# Altium PCB power_board.PcbDoc (part 1 of 2) (continued)
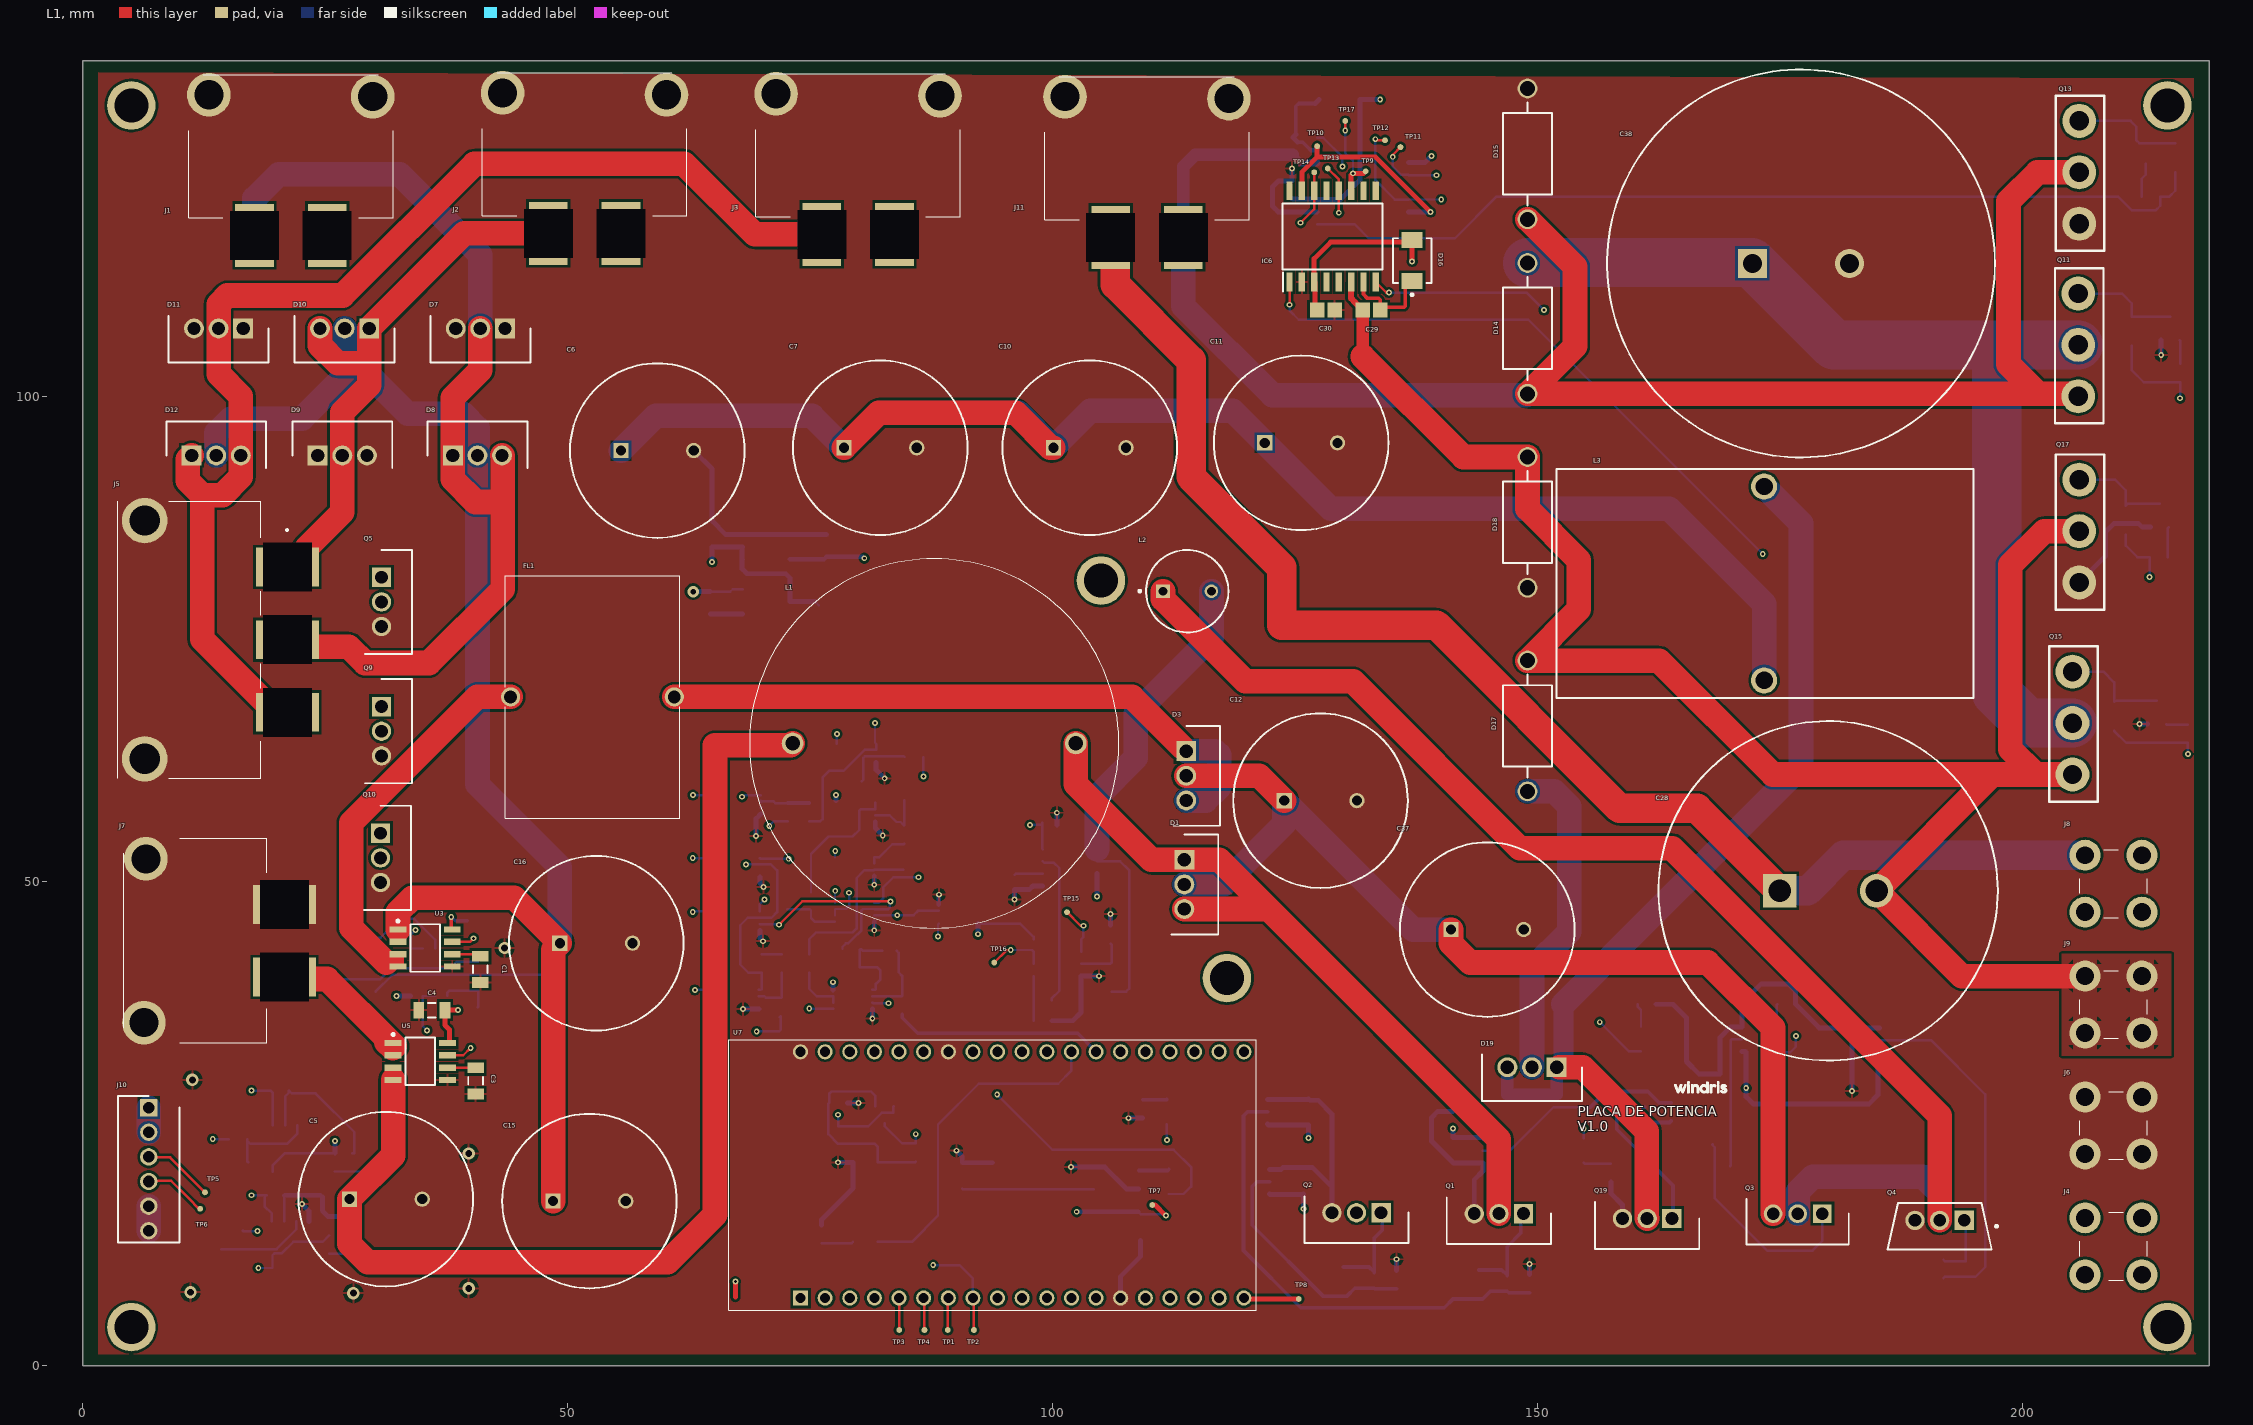
[diagram p0: L1 view]
## Part data (continued)
L2: library part CMP-006-00013-6, "Radial Inductor, 100 uH, +/- 10%, 0.91 A, -55 to 105 degC, 2-Pin THD, RoHS, Bulk", Case/Package=Radial, Current Rating=910mA, Inductance Tolerance=10%, Manufacturer=Bourns, Max Operating Temperature=105°C, Min Operating Temperature=-55°C, Package Description="2-Pin Radial Lead, Dia 8.5 mm, Pitch 5 mm", Package Quantity=100, Package Reference=INDR62-500-1100X850X1100, Resistance=0.28Ohm, Self Resonant Frequency=3.7MHz, Core Material=Ferrite, Datasheet URL=http://www.bourns.com/docs/Product-Datasheets/rl622_series.pdf, Datasheet Version=Aug-10, Diameter=8.5mm, Lead Pitch=5mm, Mounting Technology=TH, Packaging=Bulk, Pins=2, Q Factor=20, RoHS Compliant=True, Shielding=Unshielded, Tolerance=10%
L3: library part ATCA-08-251M-V, "Inductor Power Unshielded Toroid 250uH 20% Powdered Iron 10A 0.027Ohm DCR RDL Tray", Case/Package=Radial, DC Resistance (DCR)=27mR, Inductance=250uH, Inductance Tolerance=20%, Manufacturer=Abracon, Manufacturer_Name=ABRACON, Mouser Part Number=815-ATCA-08-251M-V, RMS Current (Irms)=10A, Arrow Part Number=ATCA-08-251M-V, Arrow Price/Stock=https://www.arrow.com/en/products/atca-08-251m-v/abracon, Category="Fixed Inductors", ComponentLink1Description=https://abracon.com//Magnetics/high-power-toroids/ATCA-08_packagedrawing.pdf?src-supplier=Digi-Key, ComponentLink1URL=https://abracon.com//Magnetics/high-power-toroids/ATCA-08_packagedrawing.pdf?src-supplier=Digi-Key, ComponentLink2Description=http://www.farnell.com/datasheets/2156230.pdf?src-supplier=Element14, ComponentLink2URL=http://www.farnell.com/datasheets/2156230.pdf?src-supplier=Element14, Datasheet Link=https://componentsearchengine.com/Datasheets/2/ATCA-08-251M-V.pdf, Height=42.5mm, Manufacturer Part Number=ATCA-08-251M-V, Manufacturer_Part_Number=ATCA-08-251M-V, Mouser Price/Stock=https://www.mouser.co.uk/ProductDetail/ABRACON/ATCA-08-251M-V/?qs=AvgxZrxb8y1V5MUvgxkQSA%3D%3D, Pricing 1="1=9.29000, 10=8.35000, 50=7.47000, 100=5.94000, 1000=5.57000, 10000=5.57000 (USD)", REACH SVHC="No SVHC", RoHS=Yes, RoHS Compliant=Yes, Stock 1=1858, Supplier 1=Mouser, Supplier Part Number 1=815-ATCA-08-251M-V
Q1 Q2 Q5 Q9 Q10 Q19: "MOSFET N-CH 100V 72A TO220AB", Case/Package=TO-220-3, Continuous Drain Current (ID)=72A, Drain to Source Voltage (Vdss)=100V, Input Capacitance=9.54nF, Manufacturer=Infineon, Max Operating Temperature=175°C, Max Power Dissipation=61W, Min Operating Temperature=-55°C, Mouser Part Number=942-IRFI4110GPBF, Threshold Voltage=4V, Arrow Part Number=IRFI4110GPBF, Arrow Price/Stock=https://www.arrow.com/en/products/irfi4110gpbf/infineon-technologies-ag, Category=MOSFETs, ComponentLink1Description=http://www.infineon.com/dgdl/irfi4110gpbf.pdf?fileId=5546d462533600a401535623f28d1f78&src-supplier=Digi-Key, ComponentLink1URL=http://www.infineon.com/dgdl/irfi4110gpbf.pdf?fileId=5546d462533600a401535623f28d1f78&src-supplier=Digi-Key, ComponentLink2Description=http://www.farnell.com/datasheets/1302157.pdf?src-supplier=Element14, ComponentLink2URL=http://www.farnell.com/datasheets/1302157.pdf?src-supplier=Element14, Datasheet Link=https://www.mouser.co.uk/datasheet/2/196/Infineon-IRFI4110G-DS-v01_02-EN-1227339.pdf, Halogen Free="Halogen Free", Height=4.83mm, Lead Free="Lead Free", Manufacturer Part Number=IRFI4110GPBF, Manufacturer_Name=Infineon, Manufacturer_Part_Number=IRFI4110GPBF, Max Dual Supply Voltage=100V, Mount="Through Hole", Mouser Price/Stock=https://www.mouser.com/Search/Refine.aspx?Keyword=942-IRFI4110GPBF, Number of Pins=3, Packaging=Rail/Tube, Rds On Max=4.5mR, REACH SVHC="No SVHC", RoHS=Yes, RoHS Compliant=Yes, Supplier 1=Mouser, Supplier Part Number 1=942-IRFI4110GPBF
  Q1 Q2 Q19: Pricing 1="1=3.400000, 10=2.890000, 100=2.310000, 500=2.060000, 1000=1.840000, 2000=1.840000 (USD)", Stock 1=2175
  Q5 Q9 Q10: Pricing 1="1=3.31000, 10=2.79000, 50=2.63000, 100=2.25000, 1000=1.72000, 10000=1.59000 (USD)", Stock 1=1795
Q3: "Mosfet, Power; P-ch; Vdss -100V; Rds(on) 0.117 Ohm; Id -23A; TO-220AB; Pd 140W; Vgs +/-2", Case/Package=TO-220AB, Continuous Drain Current (ID)=23A, Current Rating=-23A, Drain to Source Breakdown Voltage=-100V, Drain to Source Resistance=117mR, Drain to Source Voltage (Vdss)=100V, Gate to Source Voltage (Vgs)=20V, Input Capacitance=1.3nF, Manufacturer="International Rectifier", Manufacturer_Name=Infineon, Max Operating Temperature=175°C, Max Power Dissipation=140W, Min Operating Temperature=-55°C, Mouser Part Number=942-IRF9540NPBF, Package Quantity=50, Arrow Part Number=IRF9540NPBF, Arrow Price/Stock=https://www.arrow.com/en/products/irf9540npbf/infineon-technologies-ag, Category=MOSFETs, ComponentLink1Description=https://datasheet.ciiva.com/7333/irf9540n-7333105.pdf?src-supplier=Newark, ComponentLink1URL=https://datasheet.ciiva.com/7333/irf9540n-7333105.pdf?src-supplier=Newark, ComponentLink2Description=https://datasheet.ciiva.com/19479/1561555-19479734.pdf?src-supplier=Jameco, ComponentLink2URL=https://datasheet.ciiva.com/19479/1561555-19479734.pdf?src-supplier=Jameco, ComponentLink3Description=https://datasheet.ciiva.com/7835/irf9540n-7835622.pdf?src-supplier=Element14, ComponentLink3URL=https://datasheet.ciiva.com/7835/irf9540n-7835622.pdf?src-supplier=Element14, Datasheet Link=https://www.infineon.com/dgdl/irf9540npbf.pdf?fileId=5546d462533600a401535611cfa21dc8, Drain-source On Resistance-Max=117mR, Dual Supply Voltage=-100V, Element Configuration=Single, Fall Time=51ns, Height=4.69mm, Lead Free="Lead Free", Lead Pitch=2.54mm, Length=10.54mm, Manufacturer Part Number=IRF9540NPBF, Manufacturer_Part_Number=IRF9540NPBF, Mount="Through Hole", Mouser Price/Stock=https://www.mouser.co.uk/ProductDetail/Infineon-IR/IRF9540NPBF?qs=9%252BKlkBgLFf0vnuA8mxUPtw%3D%3D, Nominal Vgs=-4V, Number of Elements=1, Number of Pins=3, On-State Resistance=117mR, Packaging=Rail/Tube, Power Dissipation=140W, Pricing 1="1=1.17000, 10=0.96200, 50=0.96200, 100=0.74900, 1000=0.51600, 10000=0.45300 (USD)", Radiation Hardening=No, Rds On Max=117mR, REACH SVHC="No SVHC", Recovery Time=220ns, Rise Time=67ns, RoHS=Yes, RoHS Compliant=Yes, Series=HEXFET®, Stock 1=1219, Supplier 1=Mouser, Supplier Part Number 1=942-IRF9540NPBF, Termination="Through Hole", Turn-Off Delay Time=51ns, Turn-On Delay Time=15ns, Voltage Rating (DC)=-100V, Width=4.69mm
Q4: library part CMP-32901-000277-1, "MOSFET N-CH 100V 72A TO220AB", Case/Package=TO-220-3, Continuous Drain Current (ID)=72A, Drain to Source Voltage (Vdss)=100V, Input Capacitance=9.54nF, Manufacturer=Infineon, Max Operating Temperature=175°C, Max Power Dissipation=61W, Min Operating Temperature=-55°C, Supplier Part Number 1=942-IRFI4110GPBF, Threshold Voltage=4V, Category=MOSFETs, ComponentLink1Description=http://www.infineon.com/dgdl/irfi4110gpbf.pdf?fileId=5546d462533600a401535623f28d1f78&src-supplier=Digi-Key, ComponentLink1URL=http://www.infineon.com/dgdl/irfi4110gpbf.pdf?fileId=5546d462533600a401535623f28d1f78&src-supplier=Digi-Key, ComponentLink2Description=http://www.farnell.com/datasheets/1302157.pdf?src-supplier=Element14, ComponentLink2URL=http://www.farnell.com/datasheets/1302157.pdf?src-supplier=Element14, Halogen Free="Halogen Free", Lead Free="Lead Free", Manufacturer Part Number=IRFI4110GPBF, Max Dual Supply Voltage=100V, Mount="Through Hole", Number of Pins=3, Packaging=Rail/Tube, Pricing 1="1=3.31000, 10=2.79000, 50=2.63000, 100=2.25000, 1000=1.72000, 10000=1.59000 (USD)", Rds On Max=4.5mR, REACH SVHC="No SVHC", RoHS=Yes, RoHS Compliant=Yes, Stock 1=1795, Supplier 1=Mouser
Q6: library part CMP-14406-000028-1, "BC816-25H/SOT23/TO-236AB", Manufacturer=Nexperia, Supplier Part Number 1=771-BC816-25HVL, Manufacturer Part Number=BC816-25HVL, Pricing 1="1=0.25000, 10=0.17100, 50=0.17100, 100=0.08300, 1000=0.04800, 10000=0.03200 (USD)", RoHS=No, Stock 1=11733, Supplier 1=Mouser
Q7: library part CMP-65434-000005-1, "OPTOISOLATOR 5KV TRANS 4SMD", Case/Package=SMD/SMT, Collector Emitter Saturation Voltage=200mV, Collector Emitter Voltage (VCEO)=80V, Forward Current=50mA, Forward Voltage=1.4V, Isolation Voltage=5kV, Manufacturer=Sharp, Max Operating Temperature=100°C, Max Power Dissipation=200mW, Min Operating Temperature=-30°C, Output Current per Channel=30mA, Package Quantity=2000, Reverse Breakdown Voltage=6V, Supplier Part Number 1=425-2774-1-ND, Category=Optocouplers, Collector-emitter Voltage-Max=200mV, ComponentLink1Description=https://datasheet.ciiva.com/15119/getdatasheetpartid-299374-15119023.pdf?src-supplier=Verical, ComponentLink1URL=https://datasheet.ciiva.com/15119/getdatasheetpartid-299374-15119023.pdf?src-supplier=Verical, ComponentLink2Description=https://datasheet.ciiva.com/2086/pc817xxnip0f-series-2086507.pdf?src-supplier=Digi-Key, ComponentLink2URL=https://datasheet.ciiva.com/2086/pc817xxnip0f-series-2086507.pdf?src-supplier=Digi-Key, ComponentLink3Description=https://datasheet.ciiva.com/2086/pc817xxnip0f-series-2086508.pdf?src-supplier=Digi-Key, ComponentLink3URL=https://datasheet.ciiva.com/2086/pc817xxnip0f-series-2086508.pdf?src-supplier=Digi-Key, ComponentLink4Description=https://datasheet.ciiva.com/2086/pc817xxnip0f-series-2086509.pdf?src-supplier=Digi-Key, ComponentLink4URL=https://datasheet.ciiva.com/2086/pc817xxnip0f-series-2086509.pdf?src-supplier=Digi-Key, ComponentLink5Description=https://datasheet.ciiva.com/16475/pc817xnnip0f-16475911.pdf?src-supplier=Future+Electronics, ComponentLink5URL=https://datasheet.ciiva.com/16475/pc817xnnip0f-16475911.pdf?src-supplier=Future+Electronics, ComponentLink6Description=https://datasheet.ciiva.com/25900/pc817xxnip0f-series-25900837.pdf?src-supplier=Avnet+Europe, ComponentLink6URL=https://datasheet.ciiva.com/25900/pc817xxnip0f-series-25900837.pdf?src-supplier=Avnet+Europe, ComponentLink7Description=https://datasheet.ciiva.com/46396/1812378-46396954.pdf?src-supplier=Element14, ComponentLink7URL=https://datasheet.ciiva.com/46396/1812378-46396954.pdf?src-supplier=Element14, ComponentLink8Description=https://datasheet.ciiva.com/46435/1812378-46435723.pdf?src-supplier=Element14, ComponentLink8URL=https://datasheet.ciiva.com/46435/1812378-46435723.pdf?src-supplier=Element14, Contact Plating=Copper, Fall Time=18000ns, Input Current=50mA, Input Type=DC, Isolation Voltage-Max=5kV, Lead Free="Lead Free", Manufacturer Part Number=PC817XNNIP0F, Max Collector Current=50mA, Max Input Current=50mA, Max Output Voltage=80V, Mount="Surface Mount", Number of Channels=1, Number of Elements=1, Number of Pins=4, Output Voltage=80V, Packaging="Tape and Reel", Power Dissipation=200mW, Radiation Hardening=No, REACH SVHC=Unknown, Rise Time=18000ns, RoHS=Yes, RoHS Compliant=Yes, Supplier 1=Digi-Key
Q8 Q12 Q14 Q16 Q18: "TRANS PNP 12V 4A TSMT3", Case/Package=TO-236-3, Collector Base Voltage (VCBO)=-15V, Collector Emitter Breakdown Voltage=12V, Collector Emitter Saturation Voltage=-150mV, Collector-emitter Voltage-Max=250mV, Continuous Collector Current=-4A, Emitter Base Voltage (VEBO)=-6V, Manufacturer=Rohm, Manufacturer_Name="ROHM Semiconductor", Max Collector Current=4A, Max Frequency=100MHz, Max Operating Temperature=150°C, Max Power Dissipation=500mW, Min Operating Temperature=-55°C, Mouser Part Number=755-2SB1707TL, Package Quantity=3000, Transition Frequency=250MHz, Voltage Rating (DC)=-12V, Category=BJTs, Collector Emitter Voltage (VCEO)=12V, ComponentLink1Description=https://datasheet.ciiva.com/978/2sb1707-978075.pdf?src-supplier=Digi-Key, ComponentLink1URL=https://datasheet.ciiva.com/978/2sb1707-978075.pdf?src-supplier=Digi-Key, ComponentLink2Description=https://datasheet.ciiva.com/11203/2sb1707-11203670.pdf?src-supplier=Avnet, ComponentLink2URL=https://datasheet.ciiva.com/11203/2sb1707-11203670.pdf?src-supplier=Avnet, ComponentLink3Description=https://datasheet.ciiva.com/16289/2sb1707-210615-16289360.pdf?src-supplier=Mouser, ComponentLink3URL=https://datasheet.ciiva.com/16289/2sb1707-210615-16289360.pdf?src-supplier=Mouser, ComponentLink4Description=https://datasheet.ciiva.com/978/2sb1707-978076.pdf?src-supplier=Digi-Key, ComponentLink4URL=https://datasheet.ciiva.com/978/2sb1707-978076.pdf?src-supplier=Digi-Key, ComponentLink5Description=https://datasheet.ciiva.com/978/2sb1707-978077.pdf?src-supplier=Digi-Key, ComponentLink5URL=https://datasheet.ciiva.com/978/2sb1707-978077.pdf?src-supplier=Digi-Key, Contact Plating=Copper,Tin,Silver, Current Rating=-4A, Datasheet Link=https://fscdn.rohm.com/en/products/databook/datasheet/discrete/transistor/bipolar/2sb1707tl-e.pdf, Element Configuration=Single, Gain Bandwidth Product=250MHz, Height=1mm, hFE Min=270, Lead Free="Lead Free", Length=2.9mm, Manufacturer Part Number=2SB1707TL, Manufacturer_Part_Number=2SB1707TL, Max Breakdown Voltage=12V, Mount="Surface Mount", Mouser Price/Stock=https://www.mouser.com/Search/Refine.aspx?Keyword=755-2SB1707TL, Number of Pins=3, Packaging="Tape and Reel", Polarity=PNP, Pricing 1="1=0.69000, 10=0.57100, 50=0.57100, 100=0.34600, 1000=0.29500, 10000=0.25200 (USD)", Radiation Hardening=No, RoHS=Yes, RoHS Compliant=Yes, Series=-, Stock 1=2939, Supplier 1=Mouser, Supplier Part Number 1=755-2SB1707TL, Width=1.6mm
Q11 Q13 Q15 Q17: "Trans MOSFET N-CH 1.2KV 45A 3-Pin HIP-247 Tube", Case/Package=TO-247-3, Continuous Drain Current (ID)=40A, Drain to Source Breakdown Voltage=1.2kV, Drain to Source Resistance=80mR, Gate to Source Voltage (Vgs)=25V, Input Capacitance=1.7nF, Manufacturer=STMicroelectronics, Max Operating Temperature=200°C, Max Power Dissipation=270W, Min Operating Temperature=-55°C, Package Quantity=30, Power Dissipation=175W, Supplier Part Number 1=497-14960-ND, Threshold Voltage=2.6V, Category=MOSFETs, ComponentLink1Description=https://datasheet.ciiva.com/46422/1856099-46422059.pdf?src-supplier=Element14, ComponentLink1URL=https://datasheet.ciiva.com/46422/1856099-46422059.pdf?src-supplier=Element14, Drain to Source Voltage (Vdss)=1.2kV, Element Configuration=Single, Fall Time=28ns, Lead Free="Lead Free", Manufacturer Part Number=SCT30N120, Mount="Through Hole", Number of Channels=1, Number of Elements=1, Number of Pins=247, Packaging=Rail/Tube, Pricing 1="1=21.25000, 10=19.53200, 25=18.72200, 100=16.49560, 500=16.10000 (USD)", Rds On Max=100mR, REACH SVHC="No SVHC", Rise Time=20ns, RoHS=Yes, Stock 1=580, Supplier 1=Digi-Key, Turn-Off Delay Time=45ns, Turn-On Delay Time=19ns, Weight=1.340411oz
R1 R2 R49: library part RES-1206, "Res Thick Film 1206 191K Ohm 1% 0.25W(1/4W) ±100ppm/C Molded SMD Paper T/R", Case Code (Imperial)=1206, Case Code (Metric)=3216, Manufacturer=Yageo, Manufacturer Part Number=RC1206FR-07191KL, Max Operating Temperature=155°C, Max Power Dissipation=250mW, Min Operating Temperature=-55°C, Resistance=191kR, Resistor Type="Thick Film", Supplier Part Number 1=603-RC1206FR-07191KL, Temperature Coefficient=100ppm/°C, Tolerance=1%, Voltage rating=200V, Case/Package=1206, Category="Chip SMD Resistors", ComponentLink1Description=http://www.mouser.com/ds/2/447/PYu-RC1206_51_RoHS_L-4-349080.pdf?src-supplier=Mouser, ComponentLink1URL=http://www.mouser.com/ds/2/447/PYu-RC1206_51_RoHS_L-4-349080.pdf?src-supplier=Mouser, ComponentLink2Description=http://components.arrow.com/part/dataview/0323_00047427?src-supplier=Arrow+Europe, ComponentLink2URL=http://components.arrow.com/part/dataview/0323_00047427?src-supplier=Arrow+Europe, ComponentLink3Description=http://www.yageo.com/documents/recent/PYu-RC_Group_51_RoHS_L_2.pdf?src-supplier=Avnet, ComponentLink3URL=http://www.yageo.com/documents/recent/PYu-RC_Group_51_RoHS_L_2.pdf?src-supplier=Avnet, ComponentLink4Description=http://www.yageo.com.tw/exep/pages/download/literatures/PYu-R_INT-thick_7.pdf?src-supplier=Digi-Key, ComponentLink4URL=http://www.yageo.com.tw/exep/pages/download/literatures/PYu-R_INT-thick_7.pdf?src-supplier=Digi-Key, ComponentLink5Description=http://www.yageo.com/documents/recent/PYu-RC_Group_51_RoHS_L_9.pdf?src-supplier=Digi-Key, ComponentLink5URL=http://www.yageo.com/documents/recent/PYu-RC_Group_51_RoHS_L_9.pdf?src-supplier=Digi-Key, ComponentLink6Description=http://www.yageo.com/documents/recent/PYu-RC_Group_51_RoHS_L_10.pdf?src-supplier=Digi-Key, ComponentLink6URL=http://www.yageo.com/documents/recent/PYu-RC_Group_51_RoHS_L_10.pdf?src-supplier=Digi-Key, ComponentLink7Description=http://www.yageo.com/documents/recent/PYu-RC1206_51_RoHS_L_5.pdf?src-supplier=Avnet+Europe, ComponentLink7URL=http://www.yageo.com/documents/recent/PYu-RC1206_51_RoHS_L_5.pdf?src-supplier=Avnet+Europe, Construction=Rectangular, Contact Plating=Tin,Matte, Depth=1.6mm, Features="Moisture Resistant", Height=0.55mm, Lead Free="Lead Free", Length=3.2mm, Military Standard=Not, Number of Terminations=2, Packaging="Tape and Reel", Power Rating=250mW, Pricing 1="1=0.23000, 10=0.05400, 50=0.05400, 100=0.01900, 1000=0.01400, 10000=0.00800 (USD)", Radiation Hardening=No, RoHS=Yes, RoHS Compliant=Yes, Series=RC, Stock 1=10616, Supplier 1=Mouser, Termination=SMD/SMT, Voltage Rating (DC)=200V, Weight=0.000571oz, Width=1.6mm
R3 R4 R50: library part Res-0805, "Res Thick Film 2.0 x 1.2 mm 10K Ohm 1% 0.125W(1/8W) 100ppm/ C Molded SMD Paper T/R", Case Code (Imperial)=0805, Case Code (Metric)=2012, Manufacturer=Yageo, Manufacturer Part Number=RC0805FR-1310KL, Manufacturer_Name="YAGEO (PHYCOMP)", Manufacturer_Part_Number=RC0805JR-131KL, Max Operating Temperature=155°C, Min Operating Temperature=-55°C, Mouser Part Number=603-RC0805JR-131KL, Power Rating=125mW, Resistance=10kR, Resistance Tolerance=1%, Resistor Type="Thick Film", Supplier Part Number 1=603-RC0805FR-1310KL, Temperature Coefficient=100ppm/°C, Voltage rating=150V, Case/Package=0805, Category="Chip SMD Resistors", ComponentLink1Description=http://www.farnell.com/datasheets/2167052.pdf?src-supplier=Farnell, ComponentLink1URL=http://www.farnell.com/datasheets/2167052.pdf?src-supplier=Farnell, ComponentLink2Description=http://www.mouser.com/ds/2/447/Yageo_08112016_RC0805-968729.pdf?src-supplier=Mouser, ComponentLink2URL=http://www.mouser.com/ds/2/447/Yageo_08112016_RC0805-968729.pdf?src-supplier=Mouser, ComponentLink3Description=http://components.arrow.com/part/dataview/0323_00200993?src-supplier=Arrow+Europe, ComponentLink3URL=http://components.arrow.com/part/dataview/0323_00200993?src-supplier=Arrow+Europe, ComponentLink4Description=http://www.yageo.com/pdf/PYu-RC0805_51_RoHS_L_4.pdf?src-supplier=Avnet, ComponentLink4URL=http://www.yageo.com/pdf/PYu-RC0805_51_RoHS_L_4.pdf?src-supplier=Avnet, ComponentLink5Description=http://www.yageo.com/documents/recent/PYu-RC0805_51_RoHS_L_5.pdf?src-supplier=Avnet+Europe, ComponentLink5URL=http://www.yageo.com/documents/recent/PYu-RC0805_51_RoHS_L_5.pdf?src-supplier=Avnet+Europe, ComponentLink6Description=http://www.farnell.com/datasheets/2167052.pdf?src-supplier=Element14, ComponentLink6URL=http://www.farnell.com/datasheets/2167052.pdf?src-supplier=Element14, ComponentLink7Description=http://www.farnell.com/datasheets/2167052.pdf?src-supplier=Newark, ComponentLink7URL=http://www.farnell.com/datasheets/2167052.pdf?src-supplier=Newark, Contact Plating=Tin,Matte,Lead, Datasheet Link=http://www.yageo.com/documents/recent/PYu-RC_Group_51_RoHS_L_10.pdf, Height=0.6mm, Lead Free="Lead Free", Mouser Price/Stock=https://www.mouser.com/Search/Refine.aspx?Keyword=603-RC0805JR-131KL, Number of Pins=2, Packaging="Tape and Reel", Pricing 1="1=0.13000, 10=0.03100, 50=0.03100, 100=0.01100, 1000=0.00800, 10000=0.00500 (USD)", Radiation Hardening=No, REACH SVHC="No SVHC", RoHS=Yes, RoHS Compliant=Yes, Series=RC, Stock 1=16417, Supplier 1=Mouser, Termination=SMD/SMT, Tolerance=1%, Voltage Rating (DC)=150V
R5 R6 R7 R8 R9 R10 R11 R12 R13 R14 R15 R16: library part Res-0805, "Res Thick Film 0805 100K Ohm 1% 1/4W ±200ppm/°C Molded SMD Paper T/R", Manufacturer=Yageo, Manufacturer Part Number=RC0805FR-7W100KL, Manufacturer_Name="YAGEO (PHYCOMP)", Manufacturer_Part_Number=RC0805JR-131KL, Mouser Part Number=603-RC0805JR-131KL, Supplier Part Number 1=603-RC0805FR-7W100KL, Category="Chip SMD Resistors", Datasheet Link=http://www.yageo.com/documents/recent/PYu-RC_Group_51_RoHS_L_10.pdf, Height=0.6mm, Mouser Price/Stock=https://www.mouser.com/Search/Refine.aspx?Keyword=603-RC0805JR-131KL, Pricing 1="1=0.18000, 10=0.11500, 50=0.11500, 100=0.03700, 1000=0.02600, 10000=0.02600 (USD)", RoHS=Yes, RoHS Compliant=Yes, Stock 1=8375, Supplier 1=Mouser
R17 R20 R29 R34 R39 R44 R53: library part RES-1206, "Res Thick Film 0805 10 Ohm 5% 0.5W(1/2W) +/-200ppm/C Pad SMD Automotive T/R", Case Code (Imperial)=0805, Case Code (Metric)=2012, Manufacturer="Vishay Dale", Manufacturer Part Number=CRCW080510R0JNEAHP, Max Operating Temperature=155°C, Max Power Dissipation=333mW, Min Operating Temperature=-55°C, Package Quantity=1, Power Rating=330mW, Resistance=10R, Resistor Type="Thick Film", Supplier Part Number 1=71-CRCW080510R0JNEAH, Temperature Coefficient=200ppm/°C, Tolerance=5%, Voltage rating=150V, Case/Package=0805, Category="Chip SMD Resistors", ComponentLink1Description=https://datasheet.ciiva.com/2499/crcwhpe3-2499490.pdf?src-supplier=Digi-Key, ComponentLink1URL=https://datasheet.ciiva.com/2499/crcwhpe3-2499490.pdf?src-supplier=Digi-Key, ComponentLink2Description=https://datasheet.ciiva.com/2499/crcwhpe3-2499491.pdf?src-supplier=Digi-Key, ComponentLink2URL=https://datasheet.ciiva.com/2499/crcwhpe3-2499491.pdf?src-supplier=Digi-Key, ComponentLink3Description=https://datasheet.ciiva.com/2499/crcwhpe3-2499492.pdf?src-supplier=Digi-Key, ComponentLink3URL=https://datasheet.ciiva.com/2499/crcwhpe3-2499492.pdf?src-supplier=Digi-Key, ComponentLink4Description=https://datasheet.ciiva.com/5562/crcwhpe3-46056-5562181.pdf?src-supplier=Mouser, ComponentLink4URL=https://datasheet.ciiva.com/5562/crcwhpe3-46056-5562181.pdf?src-supplier=Mouser, ComponentLink5Description=https://datasheet.ciiva.com/9050/crcwhpe3-9050566.pdf?src-supplier=Avnet, ComponentLink5URL=https://datasheet.ciiva.com/9050/crcwhpe3-9050566.pdf?src-supplier=Avnet, Construction=Rectangular, Contact Plating=Tin, Depth=1.25mm, Features="Automotive AEC-Q200", Height=0.024inch, Lead Free="Lead Free", Length=2mm, Military Standard=Not, Mount="Surface Mount", Number of Terminations=2, Packaging="Tape and Reel", Pricing 1="1=0.23000, 10=0.20300, 50=0.20300, 100=0.07900, 1000=0.03000, 10000=0.02700 (USD)", Radiation Hardening=No, RoHS=Yes, RoHS Compliant=Yes, Series=CRCW-HP, Stock 1=4777, Supplier 1=Mouser, Weight=0.000194oz, Width=0.049inch
R18 R21 R31 R33 R41 R52 R54: library part Res-0805, "Thick Film Resistors 100K OHM 1%", Case Code (Imperial)=0805, Case Code (Metric)=2012, Manufacturer=Yageo, Manufacturer Part Number=RC0805FR-13100KL, Manufacturer_Name="YAGEO (PHYCOMP)", Manufacturer_Part_Number=RC0805JR-131KL, Max Operating Temperature=155°C, Min Operating Temperature=-55°C, Mouser Part Number=603-RC0805JR-131KL, Power Rating=125mW, Resistance=100kR, Resistor Type="Thick Film", Supplier Part Number 1=603-RC0805FR-13100KL, Temperature Coefficient=100ppm/°C, Tolerance=1%, Voltage rating=150V, Case/Package=0805, Category="Chip SMD Resistors", ComponentLink1Description=https://datasheet.ciiva.com/5558/rc0805-5558047.pdf?src-supplier=Mouser, ComponentLink1URL=https://datasheet.ciiva.com/5558/rc0805-5558047.pdf?src-supplier=Mouser, Contact Plating=Tin,Lead,Matte, Datasheet Link=http://www.yageo.com/documents/recent/PYu-RC_Group_51_RoHS_L_10.pdf, Height=0.6mm, Lead Free="Lead Free", Mouser Price/Stock=https://www.mouser.com/Search/Refine.aspx?Keyword=603-RC0805JR-131KL, Packaging="Tape and Reel", Pricing 1="1=0.13000, 10=0.03100, 50=0.03100, 100=0.01100, 1000=0.00800, 10000=0.00500 (USD)", Radiation Hardening=No, RoHS=Yes, RoHS Compliant=Yes, Series=RC, Size Code=0805, Stock 1=57591, Supplier 1=Mouser, Termination=SMD/SMT
R19 R22 R28 R55: library part Res-0805, "Thick Film Resistors - SMD 470 OHM 5%", Case Code (Imperial)=0805, Case Code (Metric)=2012, Manufacturer=Yageo, Manufacturer Part Number=RC0805JR-13470RL, Manufacturer_Name="YAGEO (PHYCOMP)", Manufacturer_Part_Number=RC0805JR-131KL, Max Operating Temperature=155°C, Min Operating Temperature=-55°C, Mouser Part Number=603-RC0805JR-131KL, Power Rating=125mW, Resistance=470R, Resistor Type="Thick Film", Supplier Part Number 1=603-RC0805JR-13470RL, Temperature Coefficient=100ppm/°C, Tolerance=5%, Voltage rating=150V, Case/Package=0805, Category="Chip SMD Resistors", ComponentLink1Description=http://www.mouser.com/ds/2/447/Yageo_08112016_RC0805-968729.pdf?src-supplier=Mouser, ComponentLink1URL=http://www.mouser.com/ds/2/447/Yageo_08112016_RC0805-968729.pdf?src-supplier=Mouser, ComponentLink2Description=http://components.arrow.com/part/dataview/0323_04018308?src-supplier=Arrow+Europe, ComponentLink2URL=http://components.arrow.com/part/dataview/0323_04018308?src-supplier=Arrow+Europe, ComponentLink3Description=http://www.yageo.com/documents/recent/PYu-RC0805_51_RoHS_L-(4).pdf?src-supplier=Avnet+Europe, ComponentLink3URL=http://www.yageo.com/documents/recent/PYu-RC0805_51_RoHS_L-(4).pdf?src-supplier=Avnet+Europe, Construction=Rectangular, Contact Plating=Tin,Matte, Datasheet Link=http://www.yageo.com/documents/recent/PYu-RC_Group_51_RoHS_L_10.pdf, Depth=1.25mm, Height=0.6mm, Length=2mm, Military Standard=Not, Mouser Price/Stock=https://www.mouser.com/Search/Refine.aspx?Keyword=603-RC0805JR-131KL, Packaging="Tape and Reel", Pricing 1="1=0.12000, 10=0.01700, 50=0.01700, 100=0.00600, 1000=0.00500, 10000=0.00400 (USD)", Radiation Hardening=No, RoHS=Yes, RoHS Compliant=Yes, Series=RC, Stock 1=48513, Supplier 1=Mouser, Termination=SMD/SMT, Width=1.25mm
R23 R25: library part Res-0805, "Res Thick Film 2512 10 Ohm 5% 1W 200ppm/C Molded SMD SMD Blister T/R", Case Code (Imperial)=2512, Case Code (Metric)=6432, Manufacturer="Vishay Dale", Manufacturer Part Number=CRCW251210R0JNEG, Manufacturer_Name="YAGEO (PHYCOMP)", Manufacturer_Part_Number=RC0805JR-131KL, Max Operating Temperature=155°C, Max Power Dissipation=1W, Min Operating Temperature=-55°C, Mouser Part Number=603-RC0805JR-131KL, Package Quantity=1, Resistance=10R, Resistance Tolerance=5%, Resistor Type="Thick Film", Supplier Part Number 1=541-10XCT-ND, Temperature Coefficient=200ppm/°C, Voltage rating=500V, Case/Package=2512, Category="Chip SMD Resistors", ComponentLink1Description=https://datasheet.ciiva.com/15159/getdatasheetpartid-91246-15159904.pdf?src-supplier=Verical, ComponentLink1URL=https://datasheet.ciiva.com/15159/getdatasheetpartid-91246-15159904.pdf?src-supplier=Verical, ComponentLink2Description=https://datasheet.ciiva.com/2478/dcrcwe3-2478572.pdf?src-supplier=Digi-Key, ComponentLink2URL=https://datasheet.ciiva.com/2478/dcrcwe3-2478572.pdf?src-supplier=Digi-Key, ComponentLink3Description=https://datasheet.ciiva.com/2478/dcrcwe3-2478573.pdf?src-supplier=Digi-Key, ComponentLink3URL=https://datasheet.ciiva.com/2478/dcrcwe3-2478573.pdf?src-supplier=Digi-Key, ComponentLink4Description=https://datasheet.ciiva.com/2478/dcrcwe3-2478574.pdf?src-supplier=Digi-Key, ComponentLink4URL=https://datasheet.ciiva.com/2478/dcrcwe3-2478574.pdf?src-supplier=Digi-Key, ComponentLink5Description=https://datasheet.ciiva.com/9050/dcrcwe3-9050715.pdf?src-supplier=Avnet, ComponentLink5URL=https://datasheet.ciiva.com/9050/dcrcwe3-9050715.pdf?src-supplier=Avnet, ComponentLink6Description=https://datasheet.ciiva.com/5550/dcrcwe3-109170-5550302.pdf?src-supplier=Mouser, ComponentLink6URL=https://datasheet.ciiva.com/5550/dcrcwe3-109170-5550302.pdf?src-supplier=Mouser, ComponentLink7Description=https://datasheet.ciiva.com/17189/dcrcwe3-17189736.pdf?src-supplier=Avnet+Europe, ComponentLink7URL=https://datasheet.ciiva.com/17189/dcrcwe3-17189736.pdf?src-supplier=Avnet+Europe, ComponentLink8Description=https://datasheet.ciiva.com/22870/70201119-22870670.pdf?src-supplier=Allied+Electronics, ComponentLink8URL=https://datasheet.ciiva.com/22870/70201119-22870670.pdf?src-supplier=Allied+Electronics, ComponentLink9Description=https://datasheet.ciiva.com/16381/dcrcwe3-16381399.pdf?src-supplier=Future+Electronics, ComponentLink9URL=https://datasheet.ciiva.com/16381/dcrcwe3-16381399.pdf?src-supplier=Future+Electronics, ComponentLink10Description=https://datasheet.ciiva.com/16770/70201119-16770621.pdf?src-supplier=Allied+Electronics, ComponentLink10URL=https://datasheet.ciiva.com/16770/70201119-16770621.pdf?src-supplier=Allied+Electronics, Construction=Rectangular, Contact Plating=Tin, Datasheet Link=http://www.yageo.com/documents/recent/PYu-RC_Group_51_RoHS_L_10.pdf, Depth=3.15mm, Features="Automotive AEC-Q200", Height=0.6mm, Lead Free="Lead Free", Length=6.3mm, Military Standard=Not, Mount="Surface Mount", Mouser Price/Stock=https://www.mouser.com/Search/Refine.aspx?Keyword=603-RC0805JR-131KL, Number of Pins=2, Number of Terminations=2, Packaging="Tape and Reel", Power Rating=1W, Pricing 1="1=0.37000, 10=0.31600, 100=0.12360, 1000=0.05175 (USD)", Radiation Hardening=No, REACH SVHC=Unknown, RoHS=Yes, RoHS Compliant=Yes, Series=CRCW, Size Code=2512, Stock 1=12153, Supplier 1=Digi-Key, Termination=SMD/SMT, Tolerance=5%, Voltage Rating (DC)=500V, Weight=0.001429oz, Width=0.124inch
R24 R26: library part Res-0805, "RES SMD 560 MOHM 5% 1/8W 0805", Case Code (Imperial)=0805, Case Code (Metric)=2012, Manufacturer=Yageo, Manufacturer Part Number=RL0805JR-070R56L, Manufacturer_Name="YAGEO (PHYCOMP)", Manufacturer_Part_Number=RC0805JR-131KL, Max Operating Temperature=155°C, Max Power Dissipation=125mW, Min Operating Temperature=-55°C, Mouser Part Number=603-RC0805JR-131KL, Package Quantity=5000, Power Rating=250mW, Resistance=560mR, Supplier Part Number 1=603-RL0805JR-070R56L, Temperature Coefficient=200ppm/°C, Tolerance=5%, Case/Package=0805, Category="Chip SMD Resistors", ComponentLink1Description=https://datasheet.ciiva.com/15329/pyu-rl-521-rohs-l-5-15329116.pdf?src-supplier=Mouser, ComponentLink1URL=https://datasheet.ciiva.com/15329/pyu-rl-521-rohs-l-5-15329116.pdf?src-supplier=Mouser, Datasheet Link=http://www.yageo.com/documents/recent/PYu-RC_Group_51_RoHS_L_10.pdf, Features="Moisture Resistant,Automotive AEC-Q200", Height=0.6mm, Length=2mm, Mouser Price/Stock=https://www.mouser.com/Search/Refine.aspx?Keyword=603-RC0805JR-131KL, Number of Terminations=2, Packaging="Tape and Reel", Pricing 1="1=0.20000, 10=0.12500, 50=0.12500, 100=0.04000, 1000=0.02800, 10000=0.02500 (USD)", RoHS=Yes, RoHS Compliant=Yes, Series=RL, Stock 1=3106, Supplier 1=Mouser, Technology="THICK FILM", Termination=SMD/SMT, Weight=0.000194oz, Width=1.2mm
R27: library part Res-0805, "Res General Purpose Thick Film 0805 1k Ohm 5% 1/4W ±200ppm/°C Molded Paper T/R", Case/Package=0805, Manufacturer=Yageo, Manufacturer Part Number=RC0805JR-7W1KL, Manufacturer_Name="YAGEO (PHYCOMP)", Manufacturer_Part_Number=RC0805JR-131KL, Mouser Part Number=603-RC0805JR-131KL, Resistance=1kR, Supplier Part Number 1=603-RC0805JR-7W1KL, Tolerance=5%, Category=Resistors, Datasheet Link=http://www.yageo.com/documents/recent/PYu-RC_Group_51_RoHS_L_10.pdf, Height=0.6mm, Mouser Price/Stock=https://www.mouser.com/Search/Refine.aspx?Keyword=603-RC0805JR-131KL, Pricing 1="1=0.17000, 10=0.10800, 50=0.10800, 100=0.03500, 1000=0.02500, 10000=0.01800 (USD)", RoHS=Yes, RoHS Compliant=Yes, Stock 1=3681, Supplier 1=Mouser
R30 R35 R40 R45: library part Res-0805, "Res Thick Film 0805 1K Ohm 5% 1/8W 100ppm/C Molded SMD SMD Paper T/R", Case Code (Imperial)=0805, Case Code (Metric)=2012, Manufacturer=Yageo, Manufacturer Part Number=RC0805JR-131KL, Manufacturer_Name="YAGEO (PHYCOMP)", Max Operating Temperature=155°C, Min Operating Temperature=-55°C, Mouser Part Number=603-RC0805JR-131KL, Power Rating=125mW, Resistance=1kR, Resistance Tolerance=5%, Resistor Type="Thick Film", Temperature Coefficient=100ppm/°C, Voltage rating=150V, Case/Package=0805, Category="Chip SMD Resistors", ComponentLink1Description=https://datasheet.ciiva.com/12560/rc0805-257173-12560870.pdf?src-supplier=Mouser, ComponentLink1URL=https://datasheet.ciiva.com/12560/rc0805-257173-12560870.pdf?src-supplier=Mouser, ComponentLink2Description=https://datasheet.ciiva.com/17333/rc0805-17333917.pdf?src-supplier=Future+Electronics, ComponentLink2URL=https://datasheet.ciiva.com/17333/rc0805-17333917.pdf?src-supplier=Future+Electronics, ComponentLink3Description=https://datasheet.ciiva.com/7983/444164-7983797.pdf?src-supplier=Element14, ComponentLink3URL=https://datasheet.ciiva.com/7983/444164-7983797.pdf?src-supplier=Element14, Construction=Rectangular, Contact Plating=Tin,Lead,Matte, Datasheet Link=http://www.yageo.com/documents/recent/PYu-RC_Group_51_RoHS_L_10.pdf, Depth=1.25mm, Height=0.6mm, Lead Free="Lead Free", Length=2mm, Manufacturer_Part_Number=RC0805JR-131KL, Military Standard=Not, Mouser Price/Stock=https://www.mouser.com/Search/Refine.aspx?Keyword=603-RC0805JR-131KL, Number of Pins=2, Packaging="Tape and Reel", Pricing 1="1=0.11000, 10=0.02600, 50=0.02600, 100=0.00900, 1000=0.00700, 10000=0.00500 (USD)", Radiation Hardening=No, REACH SVHC="No SVHC", RoHS=Yes, RoHS Compliant=Yes, Series=RC, Size Code=0805, Stock 1=6435, Supplier 1=Mouser, Supplier Part Number 1=603-RC0805JR-131KL, Termination=SMD/SMT, Tolerance=5%, Voltage Rating (DC)=150V, Width=1.25mm
R32 R36 R38: library part Res-0805, "Res Thick Film 0805 1K Ohm 1% 1/8W 100ppm/C Molded SMD SMD Paper T/R", Case Code (Imperial)=0805, Case Code (Metric)=2012, Manufacturer=Yageo, Manufacturer Part Number=RC0805FR-101KL, Manufacturer_Name="YAGEO (PHYCOMP)", Manufacturer_Part_Number=RC0805JR-131KL, Max Operating Temperature=155°C, Min Operating Temperature=-55°C, Mouser Part Number=603-RC0805JR-131KL, Power Rating=125mW, Resistance=1kR, Resistance Tolerance=1%, Resistor Type="Thick Film", Supplier Part Number 1=603-RC0805FR-101KL, Temperature Coefficient=100ppm/°C, Voltage rating=150V, Case/Package=0805, Category="Chip SMD Resistors", ComponentLink1Description=https://datasheet.ciiva.com/12561/rc0805-257173-12561685.pdf?src-supplier=Mouser, ComponentLink1URL=https://datasheet.ciiva.com/12561/rc0805-257173-12561685.pdf?src-supplier=Mouser, ComponentLink2Description=https://datasheet.ciiva.com/7983/444164-7983758.pdf?src-supplier=Element14, ComponentLink2URL=https://datasheet.ciiva.com/7983/444164-7983758.pdf?src-supplier=Element14, Construction=Rectangular, Contact Plating=Tin,Matte,Lead, Datasheet Link=http://www.yageo.com/documents/recent/PYu-RC_Group_51_RoHS_L_10.pdf, Depth=1.25mm, Height=0.6mm, Length=2mm, Military Standard=Not, Mouser Price/Stock=https://www.mouser.com/Search/Refine.aspx?Keyword=603-RC0805JR-131KL, Packaging="Tape and Reel", Pricing 1="1=0.13000, 10=0.03100, 50=0.03100, 100=0.01100, 1000=0.00800, 10000=0.00500 (USD)", Radiation Hardening=No, REACH SVHC="No SVHC", RoHS=Yes, RoHS Compliant=Yes, Series=RC, Stock 1=42279, Supplier 1=Mouser, Termination=SMD/SMT, Tolerance=1%, Voltage Rating (DC)=150V, Width=1.25mm